# Altium PCB Smart Humidifier.PcbDoc (continued)
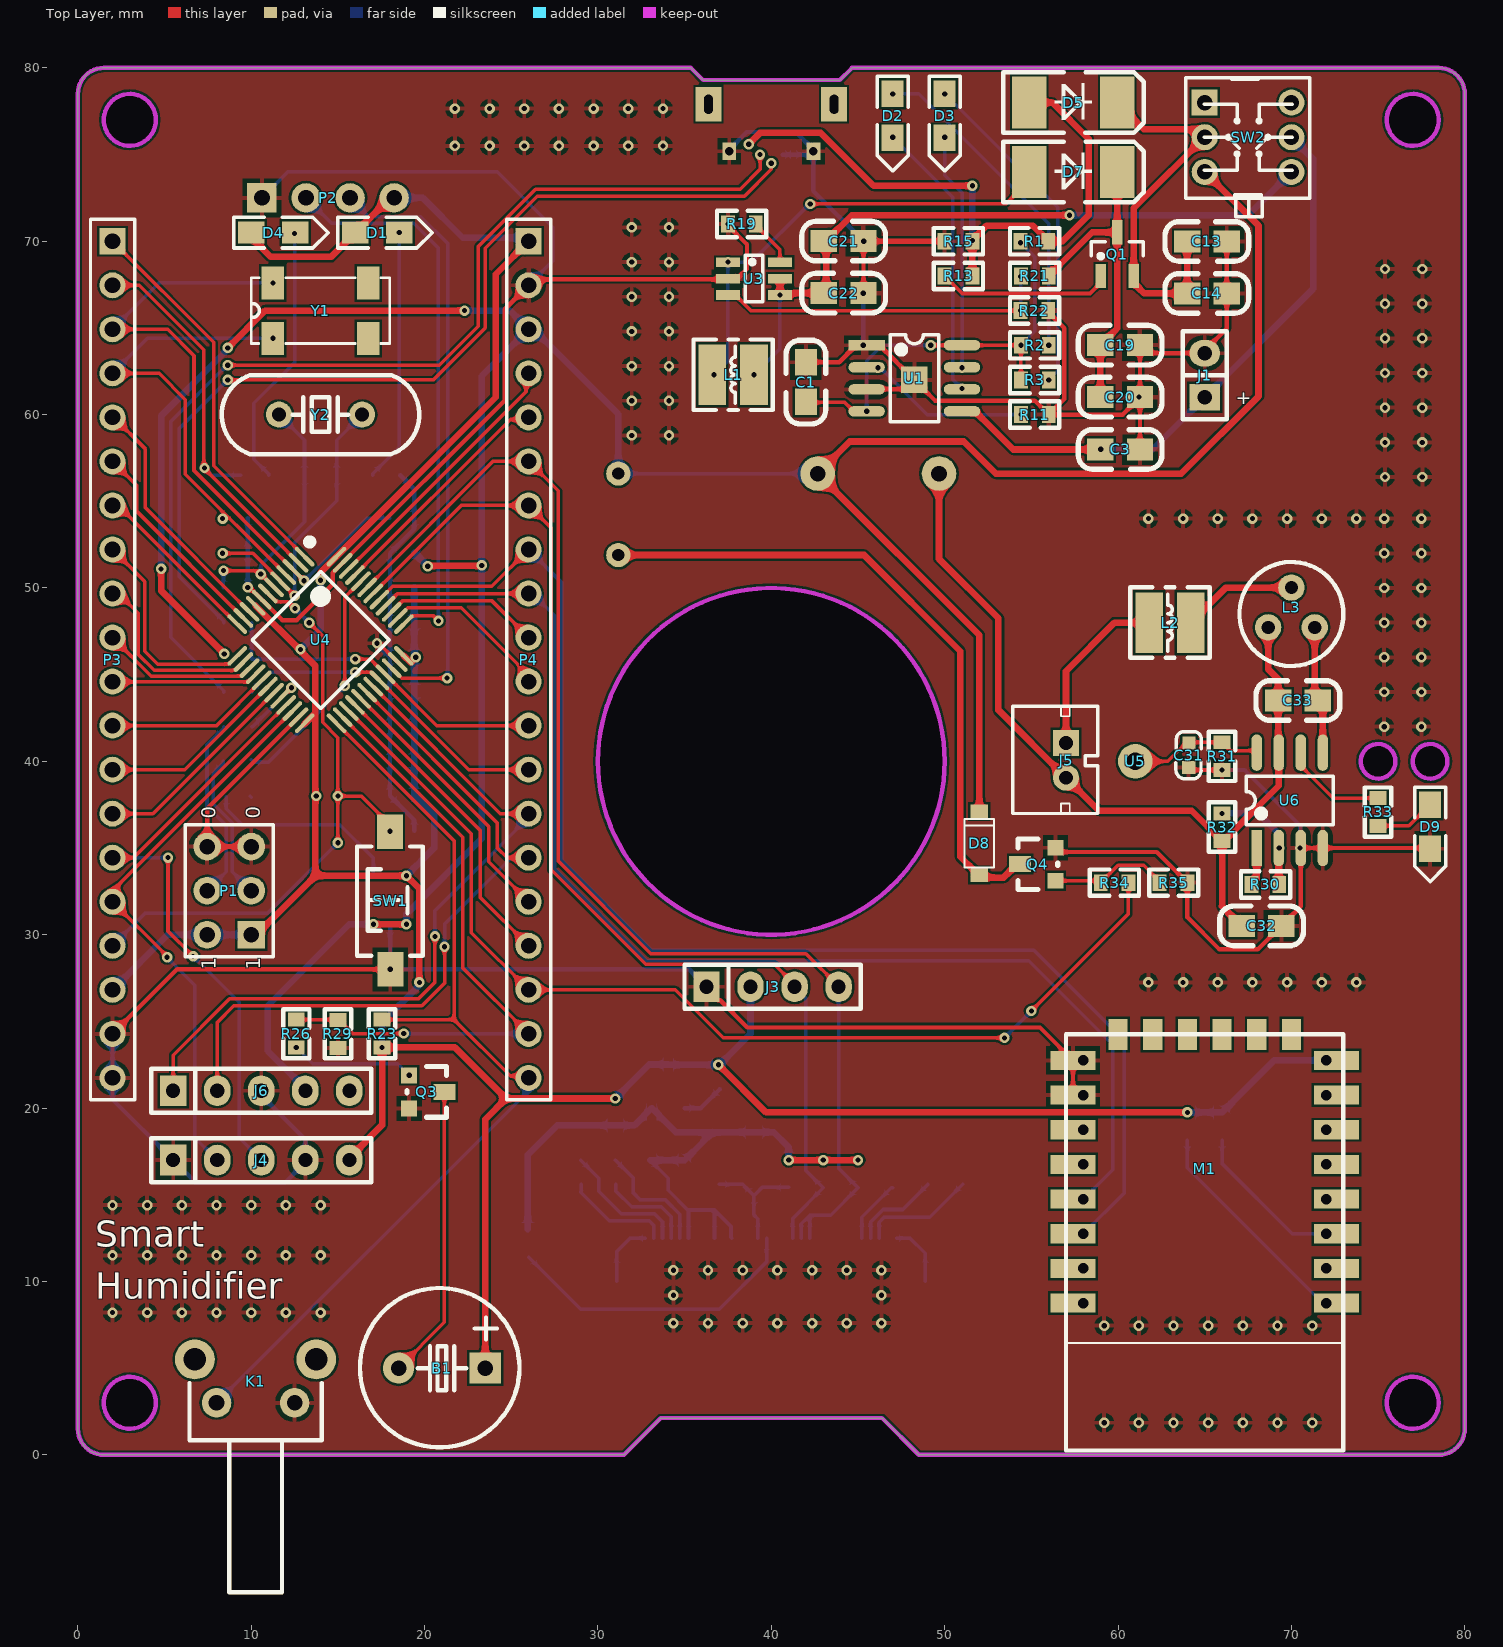
[diagram p0: Top Layer view]
## Footprints (in the part's own frame and the unit in brackets; to place one, negate y for a bottom-side part, rotate by r counter-clockwise, add the part's x,y. Pads: shape width x height; smd on the part's side, far side on the other; paste and mask are expansions set on the pad) (continued)
  silkscreen extent -3.68,-4.57 2.79,2.79, body extent -4.5,-4.5 4.5,4.5, height 1.05
"TSW SMD-3*6*2.5" [mm] "3*6*2.5mm"
  rect 2x1.5 smd: 1(-3.996,-0.02) 2(3.937,0)
  silkscreen extent -3.21,-1.9 3.09,1.9, body extent -4,-1.88 4,1.62, height 2.59
USB-micro_B [mm]
  rect 1.5x2 hole 0.5 slot 1.1 at 90 deg: 0(-2.325,-2.9) 0(4.925,-2.9)
  rect 0.35x1.6 smd: 1(0,0) 2(0.65,0) 3(1.3,0) 4(1.95,0) 5(2.6,0)
  rect 0.8x1 hole 0.5: 5(-1.125,-0.19) 5(3.725,-0.19)
  silkscreen extent -2.89,-5.69 5.49,1.4, body extent -2.7,-5.6 5.3,0, height 2.8
"XTAL-49S DIP" [mm]
  round 1.5 hole 0.8: 1(-2.4,0) 2(2.4,0)
  silkscreen extent -5.7,-2.28 5.7,2.28, body extent -5.68,-2.35 5.68,2.3, height 3.5
通孔焊盘 [mm]
  round 2 hole 1: Hole(-16.7,0)

## Part data
B1: "蜂鸣器"
C1 C2 C3 C4 C5 C6 C7 C8 C9 C10 C11 C12 C13 C14 C15 C16 C17 C18 C19 C20 C21 C22 C23 C24 C25 C26 C27 C28 C29 C30 C31 C32 C33: library part CAP, "无极性电容"
D1 D2 D3 D4 D9: library part LED
D5 D7: library part "DIODE SCHOTTKY", "肖特基二极管"
D6 D8: library part DIODE, "普通二极管"
J1: library part "Female HDR1X2"
J2: "贴片"
J5: library part PH2.0-2P
JK1: "5V一组常开"
K1: library part KEY
L1 L2: library part INDUCTOR, "INDUCTOR"
L3: library part "INDUCTOR Tripod", "三脚工字形电感线圈直插式"
P1: "Header, 3-Pin, Dual row", LatestRevisionDate=17-Jul-2002, LatestRevisionNote="Re-released for DXP Platform.", Publisher="Altium Limited"
P2: library part "Header 4", "Header, 4-Pin", LatestRevisionDate=17-Jul-2002, LatestRevisionNote="Re-released for DXP Platform.", Publisher="Altium Limited"
P3 P4: "Header, 20-Pin", LatestRevisionDate=17-Jul-2002, LatestRevisionNote="Re-released for DXP Platform.", Publisher="Altium Limited"
Q1: library part P-MOS, "P沟道场效应管"
Q2: library part LDO_SOT23, "SOT23封装LDO"
Q3 Q4: library part NPN, "NPN三极管"
R1 R2 R3 R4 R5 R6 R7 R8 R9 R10 R11 R12 R13 R15 R16 R17 R18 R19 R20 R21 R22 R23 R24 R25 R26 R27 R28 R29 R30 R31 R32 R33 R34 R35: library part RES
R14: library part RES_SW
SW1: "SWITCH"
SW2: library part KFT_7X7-DIP, "Self-locking Switch"
U2: library part RT9193X_5P, ICA_MFR_NAME=RICHTEK, ICA_PARTNUM=$$2191094$$RT9193-15CU5, Part Number=TMP-13
U3: library part TC6291C, "DC-DC升压IC"
U5: library part 过孔焊盘
U6: library part XKT-201, "5V加湿器驱动芯片"
Y1 Y2: library part XTAL, "Crystal Oscillator", LatestRevisionDate=17-Jul-2002, LatestRevisionNote="Re-released for DXP Platform.", Published=8-Jun-2000, Publisher="Altium Limited"

## Free pads (board coordinates)
  rect 1.524x1.524 smd: 2(48.25,62)

## Via types
v1: diameter 0.6, hole 0.3, Top Layer to Bottom Layer, 216 vias

## Nets (pads, with @x,y where several pads share a name; then routed paths per layer and width w, separated by ;. In a path a pad name is that pad's centre, name@x,y a point inside that pad or via, vN(x,y) a via of type N, cw(c..) or ccw(c..) an arc to the next point about the centre after c; other vN are vias at no path point)
5V_OUT: C19.2 C20.2 D7.K Q1.D R21.2 | length 19
  Top Layer w0.381: R21.2 56,68.21 56.171,68.381 56.381,68.381 58.514,70.514 Q1.D ; C20.2 C19.2 59.95,64.982 Q1.D ; D7.K@60.3,73.653 D7.K 59.95,74 Q1.D
BOOT0: R8.1 U4.44 | length 13.7
  Top Layer w0.203: v1(15.4,44.35) 15.4,49.461 U4.44
  Bottom Layer w0.203: R8.1@10,40.1 10.15,39.95 11,39.95 v1(15.4,44.35)
BOOT1: R9.2 U4.20 | length 4.1
  Top Layer w0.203: U4.20 11.674,43.609 v1(12.315,44.25)
  Bottom Layer w0.203: R9.2 10.07,42 12.315,44.245 v1(12.315,44.25)
GND: C1.1 C2.1 C3.2 C4.1 C6.1 C7.1 C9.1 C10.1 C11.2 C12.2 C13.2 C14.2 C15.2 C16.1 C17.2 C18.1 C19.1 C20.1 C21.1 C22.1 C23.2 C24.2 C25.1 C26.1 C27.1 C28.1 C29.2 C30.2 C31.2 C32.1 D9.K J1.2 J2.0 J2.1 J2.2 J2.6 J2.7 J2.8 J2.9 J2.10 J2.14 J2.15 J2.18 J2.19 J2.21 J2.23 J2.30 J3.1 J4.1 J4.4 J6.3 K1.3 M1.15 M1.16 P1.5 P1.6 P2.1 P3.19 P3.20 P4.2 pad.2 Q2.1 Q3.E Q4.E R7.2 R11.2 R14.3 R15.1 R19.1 R20.1 R22.1 R29.2 R31.1 R35.1 SW1.1 U1.1 U1.3 U2.2 U3.2 U4.8 U4.23 U4.35 U4.47 U6.3 U6.4 USB1.4 USB1.5 | length 316.7
  Top Layer w0.203: v1(17.254,46.812) 17.357,46.812 18.439,45.73 U4.35
  Top Layer w0.254: P3.19 5.724,28.004 v1(18.02,28.004) ; v1(9.797,50.034) 9.905,50.034 U4.8 11.789,48.15 12.634,48.15 14.7,50.216 14.7,50.882 U4.47 15.27,51.47 24.62,60.82 24.62,66.08 P4.2 26.34,67.8 38,67.8 38.6,68.4 38.6,69.818 37.5,70.918 v1(37.5,71) R19.1@37.575,71.075 ; P1.5 P1.6 7.46,37.278 U4.23 ; J3.1 36.26,26.873 36.92,26.213 37.047,26.213 38.61,24.65 55.5,24.65 57.4,22.75 M1.16@57.4,20.75 ; C1.1 41.999,63.027 43.923,63.027 44.896,64 v1(45.3,64) U1.1 46.25,64 pad.2 pad.2@48.377,61.873 ; C22.1 C21.1 ; U1.3 45.509,61.469 47.865,61.469 48.269,61.873 pad.2@48.377,61.873 ; R22.1 55.975,65.921 55.971,65.921 56.9,64.992 56.9,60.9 R11.2 ; Q4.E 56.636,34.769 62.231,34.769 63.619,33.381 63.702,33.381 64,33.082 R35.1 64,31 65.847,29.153 68.061,29.153 C32.1 70.54,31.632 U6.3 ; C19.1 C19.1@61.265,63.928 ; C3.2 61.265,57.99 C20.1 ; C31.2 64.228,39.5 v1(66,39.5) ; C13.2 C14.2 66.268,64.972 65,63.704 J1.2 64.991,63.549 61.643,63.549 C19.1@61.265,63.928 ; v1(70.5,35) U6.3 ; D9.K 77.96,35 U6.4 U6.3 ; pad.2@48.377,61.873 49.441,60.809 55.191,60.809 R11.2 ; R11.2 60.273,60 61.201,60.928 v1(61.201,61.01) C20.1 ; C20.1 C19.1@61.265,63.928
  Top Layer w0.3: C21.1 v1(45.328,70) R15.1
  Bottom Layer w0.203: C10.1 C10.1@10,37.938 ; P2.1 12.12,74 24.2,74 27.4,70.8 27.4,68.86 P4.2 ; J2.0@31.073,10 31.073,11.723 31.847,12.497 J2.30 ; J2.1 47.226,12.5 48,12.5 48.873,11.627 J2.0@48.873,10
  Bottom Layer w0.254: P3.19 P3.20 2,20.5 J4.1 5.5,16.873 6.135,16.238 6.262,16.238 6.8,15.7 11.947,15.7 13.12,16.873 J4.4 13.12,18.194 10.58,20.734 J6.3 ; v1(9.797,50.034) 9.8,50.037 C29.2 C24.2 ; v1(17.254,46.812) 17.254,46.76 C4.1 ; C26.1@17.987,39.991 C26.1 ; U2.2 18.01,30.59 18.01,28.014 v1(18.02,28.004) 35.256,28.004 J3.1 ; R7.2 19.402,55.698 C23.2 19.402,53.406 C9.1 C27.1 C6.1 C4.1 ; C2.1 19.401,36.614 C28.1 C26.1 ; Q2.1 35.937,20 C17.2 ; USB1.5@37.575,75.19 37.575,75.29 38.585,76.3 41.415,76.3 42.425,75.29 USB1.5@42.425,75.19 ; USB1.4 41.3,75 42.235,75 USB1.5@42.425,75.19 ; v1(45.3,64) v1(45.3,67) ; v1(45.328,70) 42.425,72.903 USB1.5@42.425,75.19 ; v1(66,39.5) 67.3,39.5 70.5,36.3 v1(70.5,35) ; C26.1 C25.1 C7.1 C4.1
  other v1: 59.2,1.85 61.2,1.85 63.2,1.85 65.2,1.85 67.2,1.85 69.2,1.85 71.2,1.85 59.2,7.45 61.2,7.45 63.2,7.45 65.2,7.45 67.2,7.45 69.2,7.45 71.2,7.45 34.35,7.6 36.35,7.6 38.35,7.6 40.35,7.6 42.35,7.6 44.35,7.6 46.35,7.6 2,8.2 4,8.2 6,8.2 8,8.2 10,8.2 12,8.2 14,8.2 34.35,9.2 46.35,9.2 34.35,10.65 36.35,10.65 38.35,10.65 40.35,10.65 42.35,10.65 44.35,10.65 46.35,10.65 2,11.5 4,11.5 6,11.5 8,11.5 10,11.5 12,11.5 14,11.5 2,14.4 4,14.4 6,14.4 8,14.4 10,14.4 12,14.4 14,14.4 61.75,27.25 63.75,27.25 65.75,27.25 67.75,27.25 69.75,27.25 71.75,27.25 73.75,27.25 75.35,42 77.5,42 75.35,44 77.5,44 75.35,46 77.5,46 75.35,48 77.5,48 75.35,50 77.5,50 75.35,52 77.5,52 61.75,54 63.75,54 65.75,54 67.75,54 69.75,54 71.75,54 73.75,54 75.35,54 77.5,54 75.4,56.4 77.55,56.4 75.4,58.4 77.55,58.4 31.95,58.8 34.1,58.8 75.4,60.4 77.55,60.4 31.95,60.8 34.1,60.8 75.4,62.4 77.55,62.4 31.95,62.8 34.1,62.8 75.4,64.4 77.55,64.4 31.95,64.8 34.1,64.8 75.4,66.4 77.55,66.4 31.95,66.8 34.1,66.8 75.4,68.4 77.55,68.4 31.95,68.8 34.1,68.8 31.95,70.8 34.1,70.8 21.75,75.5 23.75,75.5 25.75,75.5 27.75,75.5 29.75,75.5 31.75,75.5 33.75,75.5 21.75,77.65 23.75,77.65 25.75,77.65 27.75,77.65 29.75,77.65 31.75,77.65 33.75,77.65
NetB1_2: B1.2 Q3.C | length 17
  Top Layer w0.203: B1.2 21.143,7.643 Q3.C
NetC1_2: C1.2 R1.2 R2.1 R3.1 U1.4 U1.8 | length 24.7
  Top Layer w0.203: C1.2 42.022,60.7 44.24,60.7 44.75,60.19 v1(45.5,60.19) ; v1(49.2,64) U1.8 v1(54.4,64) ; v1(54.375,69.918) R1.2 ; R3.1 v1(54.4,64) ; R2.1@54.4,64.082 v1(54.4,64)
  Bottom Layer w0.203: v1(45.5,60.19) 45.5,63.1 46.4,64 v1(49.2,64) ; v1(54.375,69.918) 55.2,69.092 55.2,64.8 v1(54.4,64)
NetC5_1: C5.1 J2.28 | length 7.6
  Bottom Layer w0.203: C5.1 30.05,15.954 30.05,15.2 31.35,13.9 33.264,13.9 33.723,13.441 J2.28
NetC5_2: C5.2 J2.29 | length 6.2
  Bottom Layer w0.203: C5.2 29.034,15.116 30.65,13.5 32.95,13.5 33.223,13.227 J2.29
NetC8_1: C8.1 J2.26 | length 6.9
  Bottom Layer w0.203: C8.1 32.05,15.954 32.05,15.1 32.45,14.7 33.9,14.7 34.723,13.877 J2.26
NetC8_2: C8.2 J2.27 | length 5.4
  Bottom Layer w0.203: C8.2 31.034,15.216 31.95,14.3 33.65,14.3 34.223,13.727 J2.27
NetC10_2: C10.2 U2.4 | length 11.4
  Bottom Layer w0.203: C10.2 8.55,37.267 9.467,36.35 15.1,36.35 17.05,34.4 U2.4
NetC13_1: C13.1 C14.1 D5.K Q1.S SW2.2 | length 23
  Top Layer w0.381: D5.K 61.489,76.464 65.235,76.464 65.349,76.349 60.9,71.9 Q1.S 60.9,67.6 61.51,66.99 C14.1 C13.1
NetC15_1: C15.1 D6.A J2.17 R12.1 | length 7
  Bottom Layer w0.203: C15.1 38.35,15.599 D6.A ; J2.17 39.223,13.612 39,13.835 D6.A ; R12.1 39.471,15.42 D6.A
NetC16_2: C16.2 J2.4 | length 5.1
  Bottom Layer w0.203: J2.4 45.723,13.423 46.45,14.15 47.587,14.15 C16.2
NetC18_2: C18.2 J2.3 | length 6.6
  Bottom Layer w0.203: J2.3 46.223,13.423 46.5,13.7 49.137,13.7 C18.2
NetC21_2: C21.2 C22.2 L1.1 SW2.4 U3.4 U3.5 | length 40.3
  Top Layer w0.381: U3.5 v1(40.5,66.9) 40.61,67.01 C22.2 43.159,67.137 43.159,70.01 44.649,71.5 v1(57.2,71.5)
  Bottom Layer w0.203: v1(39,62.3) 40.5,63.8 v1(40.5,66.9)
  Bottom Layer w0.381: v1(57.2,71.5) 67.5,71.5 SW2.4
NetC31_1: C31.1 R31.2 U5.Hole U6.8 | length 7.9
  Top Layer w0.203: U5.Hole 62.874,40 64,41.126 64,41.189 64.1,41.189 64.189,41.1 R31.2 66.482,40.618 68,40.618 U6.8
NetC32_2: C32.2 C33.2 J5.2 JK1.4 L3.3 R32.2 U6.7 | length 50.5
  Top Layer w0.381: JK1.4 49.673,51.677 53.1,48.25 53.1,42.955 J5.2 58.905,37.15 64.25,37.15 R32.2 ; C32.2 65.992,31.65 66,31.65 R32.2 ; L3.3 68.658,45.325 69.232,44.751 C33.2 69.232,40.5 U6.7 69.27,38.588 66.082,35.4 R32.2
NetC33_1: C33.1 L3.2 U6.5 | length 7.4
  Top Layer w0.381: L3.2 71.342,43.686 C33.1 71.81,43.218 U6.5
NetD1_K: D1.K R7.1 | length 14.6
  Bottom Layer w0.203: R7.1 17,56.582 18.54,58.122 v1(18.54,70.5)
NetD2_A: D2.A R2.2 | length 19.1
  Bottom Layer w0.203: v1(47,78.5) 48.5,78.5 56,71 v1(56,64)
NetD2_K: D2.K U1.6 | length 16.2
  Bottom Layer w0.203: v1(47,76) 50.471,72.529 50.471,62.029 v1(51,61.5)
NetD3_A: D3.A R3.2 | length 19.4
  Bottom Layer w0.203: v1(50,78.5) 56.529,71.971 56.529,62.529 v1(56,62)
NetD3_K: D3.K U1.7 | length 13.7
  Bottom Layer w0.203: v1(50,76) 50,73.8 51,72.8 v1(51,62.7)
NetD4_K: D4.K R10.1 | length 15.3
  Bottom Layer w0.203: R10.1 11,56.582 10.15,57.432 10.15,60.65 12.5,63 v1(12.5,70.45)
NetD7_A: D7.A L1.2 U3.1 | length 26.7
  Top Layer w0.203: v1(42.25,72.15) 53.523,72.15 54.873,73.5 D7.A
  Bottom Layer w0.203: v1(36.7,62.3) 37.5,63.1 v1(37.5,68.8) 38.85,68.8 42.2,72.15 v1(42.25,72.15)
NetD8_A: D8.A JK1.1 Q4.C | length 38.2
  Top Layer w0.381: JK1.1 45.35,51.9 50.9,46.35 50.9,34.5 51.691,33.71 51.691,33.659 52.052,33.297 53.4,33.297 54.179,34.076 Q4.C
NetD9_A: D9.A R33.1 | length 3.5
  Top Layer w0.203: R33.1 76.781,36.281 D9.A
NetJ2_15: J2.16 R14.2 | length 17.5
  Bottom Layer w0.203: R14.2 29,8.4 37,8.4 39.723,11.123 J2.16
NetJ2_26: J2.5 R20.2 | length 3.7
  Bottom Layer w0.203: J2.5 45.223,13.7 46.918,15.395 R20.2
NetJ5_1: J5.1 L2.1 | length 10.1
  Top Layer w0.381: J5.1 57,45.2 59.8,48 L2.1
NetL2_2: L2.2 L3.1 | length 6.6
  Top Layer w0.381: L2.2 66.224,50.024 L3.1
NetM1_1: M1.1 R4.2 | length 12.9
  Bottom Layer w0.203: R4.2 64,16.55 71.9,8.65 M1.1@72,8.75
NetM1_3: M1.3 R6.2 | length 9
  Bottom Layer w0.203: R6.2 66,16.8 70.05,12.75 M1.3@72,12.75
NetP1_3: P1.3 R8.2 | length 8.6
  Bottom Layer w0.203: R8.2 8.4,39.917 7.8,39.317 7.8,37.55 8.9,36.45 8.9,33.64 P1.3
NetP1_4: P1.4 R9.1 | length 10.8
  Bottom Layer w0.203: P1.4 8.55,33.63 8.55,36.3 7.45,37.4 7.45,40.942 8.425,41.918 R9.1
NetQ1_G: Q1.G R13.1 | length 10.1
  Top Layer w0.203: R13.1 50,67.918 50.298,67.619 50.381,67.619 51.014,66.986 58.386,66.986 59,67.6 Q1.G
NetQ3_B: Q3.B R26.1 | length 7.2
  Bottom Layer w0.203: v1(12.6,23.5) 13.55,22.55 18.45,22.55 v1(19.111,21.889)
NetQ4_B: Q4.B R34.1 R35.2 | length 7
  Top Layer w0.203: Q4.B 58.889,33.111 R34.1 59,33.082 59.298,33.381 59.381,33.381 60,34 61.483,34 62.4,33.082 R35.2
NetR11_1: R11.1 U1.2 | length 9.4
  Bottom Layer w0.203: v1(46.15,62.7) 46.3,62.7 49,60 v1(54.4,60)
NetR19_2: R19.2 U3.6 | length 2.8
  Top Layer w0.203: R19.2 39.1,70.918 40.5,69.517 U3.6
NetR21_1: R21.1 R22.2 U3.3 | length 19.3
  Top Layer w0.203: U3.3 37.925,66.9 38.825,66 v1(54.375,66) ; v1(54.375,67.975) R21.1
  Bottom Layer w0.203: v1(54.375,66) v1(54.375,67.975)
NetR24_1: R24.1 USB1.2 | length 60.4
  Top Layer w0.203: v1(8.65,62.85) 20.85,62.85 23.1,65.1 23.1,69.7 26.4,73 38.2,73 39.35,74.15 v1(39.35,75)
  Bottom Layer w0.203: R24.1 8.425,44.083 5.35,47.158 5.35,59.6 v1@8.625,62.875
NetR25_1: R25.1 USB1.3 | length 55.7
  Top Layer w0.203: v1(8.65,62) 20.5,62 23.5,65 23.5,69.6 26.5,72.6 38.45,72.6 40,74.15 v1(40,74.5)
  Bottom Layer w0.203: R25.1 8.425,48.082 5.85,50.657 5.85,59.2 v1(8.65,62)
NetR30_1: R30.1 R32.1 U6.2 | length 7.4
  Top Layer w0.381: R30.1@69.27,32.9 U6.2 U6.2@69.27,35.75
  Bottom Layer w0.381: v1(66,37) 68.1,37 69.3,35.8 v1(69.3,35)
NetR30_2: R30.2 U6.1 | length 2.2
  Top Layer w0.381: R30.2 67.998,33.198 67.998,34.998 U6.1
NetR33_2: R33.2 U6.6 | length 6
  Top Layer w0.203: U6.6 70.54,39.75 72.409,37.881 R33.2
OSCIN: C29.1 R28.2 U4.5 Y2.2 | length 17.2
  Top Layer w0.203: v1(8.35,52) 10.101,52 11.669,50.432 U4.5 12.5,49.561 v1(12.5,49.555)
  Bottom Layer w0.203: v1(12.5,49.555) 12.5,52.6 14.927,55.027 14.927,58.527 Y2.2
OSCOUT: C30.1 R28.1 U4.6 Y2.1 | length 15.2
  Top Layer w0.203: v1(8.4,51) 10.354,51 v1(10.554,50.8) U4.6
  Bottom Layer w0.203: C30.1 v1(8.4,51) ; v1(10.554,50.8) 10.554,51.304 13.073,53.823 13.073,58.527 Y2.1
PA0: P3.5 U4.10 | length 14.5
  Top Layer w0.203: P3.5 2.073,59.84 3.9,58.013 3.9,54.619 9.895,48.624 U4.10
PA1: P3.6 U4.11 | length 12.2
  Top Layer w0.203: P3.6 3.409,55.891 3.409,54.409 U4.11
PA2: P3.7 U4.12 | length 10
  Top Layer w0.203: P3.7 2.338,54.76 9.182,47.916 U4.12
PA3: P3.8 U4.13 | length 12.5
  Top Layer w0.203: P3.8 3.85,50.37 3.85,46.35 4.6,45.6 8.711,45.6 U4.13
PA4: P3.9 U4.14 | length 11
  Top Layer w0.203: P3.9 2.351,49.68 3.484,48.547 3.484,46.166 4.4,45.25 9.068,45.25 U4.14
PA5: P3.10 U4.15 | length 9
  Top Layer w0.203: P3.10 4.229,44.911 9.436,44.911 U4.15
PA6: P3.11 U4.16 | length 8.4
  Top Layer w0.203: P3.11 2.019,44.581 9.813,44.581 U4.16
PA7: P3.12 U4.17 | length 9.7
  Top Layer w0.203: P3.12 7.999,42.06 U4.17
PA8: P4.16 U4.29 | length 15.7
  Top Layer w0.203: U4.29 23.7,36.239 23.7,34.2 P4.16
PA9(USART1_TX): J6.2 P4.15 U4.30 | length 41.9
  Top Layer w0.203: J6.2 8.04,24.94 9,25.9 19.85,25.9 21.15,27.2 v1(21.15,29.3) ; U4.30 24.2,36.446 24.2,35 24.76,34.44 P4.15
  Bottom Layer w0.203: v1(21.15,29.3) 21.15,30.6 24.99,34.44 P4.15
PA10(USART1_RX): J6.1 P4.14 U4.31 | length 42.9
  Top Layer w0.203: J6.1 5.5,23.05 8.75,26.3 19.65,26.3 20.6,27.25 v1(20.6,29.9) ; U4.31 24.374,36.98 P4.14
  Bottom Layer w0.203: v1(20.6,29.9) 20.6,31.385 26,36.785 P4.14
PA11: P4.13 R24.2 U4.32 | length 18.8
  Top Layer w0.203: v1(16,45.15) 16.911,45.15 U4.32 22.541,39.52 P4.13
  Bottom Layer w0.203: R24.2 10.025,44.083 11.092,45.15 v1(16,45.15)
PA12: P4.12 R25.2 R27.2 U4.33 | length 19.6
  Top Layer w0.203: v1@16.05,45.9 16.868,45.9 U4.33 20.708,42.06 P4.12
  Bottom Layer w0.203: R27.2 10.025,45.9 v1(16,45.9) ; R27.2@10.025,46.052 R25.2
PA15: P4.11 U4.38 | length 9.8
  Top Layer w0.203: U4.38 18.782,48.6 19.032,48.85 22.118,48.85 26,44.968 P4.11
PB0: P3.13 U4.18 | length 10.9
  Top Layer w0.203: P3.13 6.166,39.52 U4.18
PB1: P3.14 U4.19 | length 12.2
  Top Layer w0.203: P3.14 4.334,36.98 U4.19
PB3: P4.10 U4.39 | length 9.7
  Top Layer w0.203: U4.39@18.575,49.1 U4.39 18.098,48.636 18.712,49.25 23.89,49.25 P4.10
PB4: M1.19 P4.9 U4.40 | length 71.2
  Top Layer w0.203: U4.40 18.168,49.4 18.448,49.68 P4.9
  Bottom Layer w0.203: P4.9 26.22,49.68 27.5,48.4 27.5,33.8 32.8,28.5 54.85,28.5 59.7,23.65 59.7,16.45 M1.19@58,14.75
PB5: M1.20 P4.8 U4.41 | length 77.4
  Top Layer w0.203: U4.41 17.961,49.9 18.161,50.1 23.88,50.1 P4.8
  Bottom Layer w0.203: P4.8 27.9,50.32 27.9,34.3 33.1,29.1 55.15,29.1 60.35,23.9 60.35,15.1 M1.20@58,12.75
PB6(I2C1_SCL): J2.13 J3.3 P4.7 R18.2 U4.42 | length 65.5
  Top Layer w0.203: U4.42 22.114,54.76 P4.7 27.3,53.46 27.3,33.75 32.75,28.3 40.167,28.3 41.34,27.127 J3.3
  Bottom Layer w0.203: J2.13 41.223,13.618 R18.2 42,16.395 42,26.34 J3.3
PB7(I2C1_SDA): J2.11 J2.12 J3.4 P4.6 R17.2 U4.43 | length 73.6
  Top Layer w0.203: U4.43 23.946,57.3 P4.6 27.7,55.6 27.7,34.25 33.05,28.9 42,28.9 43.88,27.02 J3.4
  Bottom Layer w0.203: J2.12 41.723,13.323 42.223,13.823 ; J2.11 42.223,13.823 ; J3.4 43.88,16.515 R17.2 43.428,13.823 42.223,13.823
PB8: P4.5 U4.45 | length 13.8
  Top Layer w0.203: U4.45 24.945,59.713 25.873,59.713 P4.5
PB9: P4.4 U4.46 | length 15.6
  Top Layer w0.203: U4.46 25.85,61.325 25.85,62.23 P4.4
PB10(I2C2_SCL): J4.3 P3.15 U4.21 | length 36.6
  Top Layer w0.203: P3.15 3.208,34.44 U4.21 ; v1(5.2,34.45) 5.2,30.2 v1(6.65,28.75)
  Bottom Layer w0.203: P3.15 2.005,34.445 5.185,34.445 5.19,34.44 v1(5.2,34.45) ; v1(6.65,28.75) 9.3,26.1 9.3,18.28 J4.3
PB11(I2C2_SDA): J4.2 P3.16 U4.22 | length 32.7
  Top Layer w0.203: v1(5.15,28.7) 5.15,28.75 P3.16 2,32.526 U4.22@12.376,42.902
  Bottom Layer w0.203: v1(5.15,28.7) 5.15,28.675 6.75,27.075 6.75,18.29 J4.2
PB12: K1.1 P4.20 R23.2 U4.25 | length 55.9
  Top Layer w0.203: U4.25 21.7,35.411 21.7,25.1 ; R23.2 21.7,25.1 ; P4.20 25.885,21.855 24.945,21.855 21.7,25.1
  Bottom Layer w0.203: K1.1 26,21 P4.20
PB13: P4.19 R26.2 R29.1 U4.26 | length 36.5
  Top Layer w0.203: R26.2 15.057,25.1 15.857,24.3 v1(18.8,24.3) ; U4.26 22.2,35.618 22.2,28.08 P4.19
  Bottom Layer w0.203: v1(18.8,24.3) 18.81,24.29 25.99,24.29 P4.19
PB14: P4.18 R34.2 U4.27 | length 60.9
  Top Layer w0.203: U4.27 22.7,35.825 22.7,30.12 P4.18 34.466,26.82 37.236,24.05 v1(53.45,24.05) ; v1(55,25.6) 60.6,31.2 R34.2
  Bottom Layer w0.203: v1(53.45,24.05) v1(55,25.6)
PB15: P4.17 U4.28 | length 18
  Top Layer w0.203: U4.28 23.2,36.032 23.2,32.16 P4.17
PC13: P3.2 R10.2 U4.2 | length 23.7
  Top Layer w0.203: P3.2 3.54,67.46 7.264,63.736 7.264,56.918 U4.2 U4.2@12.758,51.452
  Bottom Layer w0.203: v1(7.304,56.919) 7.722,56.5 R10.2
PC14: C23.1 P3.3 U4.3 Y1.4 | length 37.8
  Top Layer w0.203: P3.3 5.18,64.92 6.7,63.4 6.7,56.775 U4.3 12.376,51.086 v1(13.05,50.412)
  Bottom Layer w0.203: P3.3 4.68,67.6 v1(11.25,67.6) ; v1(13.05,50.412) 16.662,54.025 C23.1@18.003,54.025
PC15: C24.1 P3.4 U4.4 Y1.1 | length 27.8
  Top Layer w0.203: P3.4 4.688,62.38 6.202,60.866 6.202,60.534 6.2,60.532 6.2,56.568 U4.4 U4.4@12.009,50.759 ; v1(8.35,54) v1@8.559,54.209
  Bottom Layer w0.203: P3.4 4.02,64.4 v1(11.25,64.4)
RESET: C2.2 P3.17 R5.2 SW1.2 U4.7 | length 35.8
  Top Layer w0.203: U4.7 11.446,49.2 12.108,49.2 12.483,48.825 v1(12.525,48.825) ; v1(13.35,48) 14.121,47.229 14.121,42.25 15,41.371 v1(15,38) 16.35,38 17.5,36.85 SW1.2@17.5,35.937 ; v1(15,35.3) 15,37.9 v1@15.05,37.95
  Bottom Layer w0.203: P3.17 3.89,31.25 10.95,31.25 v1(15,35.3) ; v1(12.525,48.825) v1(13.35,48)
  other v1: 18.004,35.966
SWDCLK: P2.2 U4.37 | length 32.7
  Top Layer w0.203: U4.37 19.289,48.4 20.5,48.4 v1(20.8,48.1)
  Bottom Layer w0.203: P2.2 14.631,71.029 19.371,71.029 20.8,69.6 v1(20.8,48.1)
SWDIO: P2.3 U4.34 | length 35.2
  Top Layer w0.203: U4.34 18.675,44.8 v1(21.3,44.8)
  Bottom Layer w0.203: P2.3 16.779,71.421 19.779,71.421 21.329,69.871 21.329,44.829 v1(21.3,44.8)
VBAT: P3.1 U4.1 | length 22.8
  Top Layer w0.203: P3.1 7.832,64.168 7.832,57.057 U4.1
VBAT3.7: C3.1 J1.1 SW2.5 U1.5 | length 34.4
  Top Layer w0.381: U1.5 51.75,60.19 53.95,57.99 C3.1 C3.1@59.109,57.99
  Bottom Layer w0.381: v1(59,58) 62,58 J1.1 71.25,67.25 71.25,74.75 SW2.5
VBUS: D5.A R1.1 R13.2 R15.2 USB1.1 | length 36.4
  Top Layer w0.381: v1(38.7,75.6) 39.35,76.25 42.85,76.25 45.9,73.2 v1(51.6,73.2) ; R13.2 R15.2 v1(51.6,70.041) 51.6,70.082 52.417,70.9 55.075,70.9 R1.1 56.8,70 57.5,70.7 58.3,71.5 58.3,75.917 56.217,78 D5.A
  Bottom Layer w0.381: v1(51.6,70.041) v1(51.6,73.2)
VCC3V3: B1.1 C4.2 C6.2 C7.2 C17.1 C25.2 C26.2 C27.2 C28.2 D1.A D4.A J3.2 J4.5 M1.8 P1.1 P1.2 P2.4 P3.18 P4.1 Q2.3 R4.1 R5.1 R6.1 R16.2 R23.1 U2.5 U4.9 U4.24 U4.36 U4.48 | length 203.3
  Top Layer w0.381: D4.A@9.793,70.437 11.13,69.1 14.6,69.1 D1.A 18,72.5 P2.4 ; P1.1 10.302,30 13.702,33.4 ; U4.9 12.785,46.447 12.793,46.454 v1(12.841,46.454) 12.841,46.365 13.702,45.504 13.702,33.4 ; U4.24@13.064,42.15 U4.24@13.614,42.7 ; v1(14,50.45) 14,50.9 24.1,61 24.1,68.1 P4.1 ; J4.5 15.66,17.127 17.55,19.017 v1(17.55,23.5) 21.75,23.5 24.7,20.55 ; U4.36 19.168,45.721 19.199,45.721 19.478,46 v1(19.495,46) ; v1(19.7,27.25) 19.7,32.65 v1(18.95,33.4) 13.702,33.4 ; B1.1 23.5,19.35 24.7,20.55 ; v1(31,20.55) 24.7,20.55 ; v1(36.95,22.5) 39.7,19.75 v1(64,19.75) ; J3.2 J3.2@38.813,27
  Bottom Layer w0.381: P3.18 5.18,30 P1.2 P1.1 ; v1(12.841,46.454) 14,47.613 v1(14,50.45) ; v1(17.55,23.5) 17.55,24.935 19.7,27.085 v1(19.7,27.25) ; P2.4 19.9,72.5 22.2,70.2 25.8,70.2 P4.1 ; v1(18.95,33.4) 20.55,35 20.55,36.887 C28.2 C26.2 C25.2 C7.2 C4.2 ; C4.2@19.395,46.042 C4.2 ; C27.2 C6.2 19.402,46.092 v1(19.495,46) 19.495,45.942 C4.2 ; v1(31,20.55) 32.964,22.514 Q2.3 34.069,22.495 C17.1 38.8,24.286 J3.2 ; v1(64,19.75) R6.1 69,22.75 M1.8@72,22.75
  other v1: 13.75,38
VCC5V: C9.2 D8.K J6.4 JK1.2 JK1.3 P4.3 R27.1 SW2.3 U2.1 U2.3 | length 185.2
  Top Layer w0.381: v1(4.8,51.1) 4.8,49.85 v1(8.45,46.2) ; v1(8.65,63.85) 10.801,66 v1(22.3,66) ; v1(17.05,30.6) v1(18.95,30.6) ; v1(20.187,51.25) 20.212,51.275 23.275,51.275 v1(23.3,51.3) ; D8.K 52,47.273 JK1.3 44.523,58.45 51.1,58.45 52.95,56.6 63.65,56.6 68.1,61.05 68.1,70.9 SW2.3
  Bottom Layer w0.203: JK1.2 JK1.3
  Bottom Layer w0.381: v1(4.8,51.1) 4.8,59.923 8.65,63.773 v1(8.65,63.85) ; J6.4 13.12,21.127 10.95,23.297 10.95,25.9 15.65,30.6 v1(17.05,30.6) ; v1(18.95,30.6) 18.95,31.2 23.3,35.55 v1(23.3,51.3) 23.3,62.22 P4.3 ; C9.2 v1(20.187,51.25) ; v1(22.3,66) 24.92,66 P4.3 ; JK1.2 31.173,60.027 26.28,64.92 P4.3
VCC_OLED: C11.1 C12.1 D6.K J2.20 J2.22 J2.25 Q2.2 R12.2 R14.1 R16.1 R17.1 R18.1 | length 41
  Top Layer w0.381: v1(41,17) v1(43,17) v1(45,17)
  Bottom Layer w0.203: C12.1 34.05,15.954 34.05,15.25 35.18,14.12 ; J2.25 35.223,14.077 35.18,14.12 ; J2.22 36.723,14.12 ; J2.20 37.675,12.545 37.675,13.169 36.723,14.12 ; 35.18,14.12 36.723,14.12
  Bottom Layer w0.381: R14.1@25.95,13 25.95,17.3 27.65,19 R16.1 32.1,19 Q2.2 34.493,18.607 36.621,18.607 ; C12.1 C11.1 36.621,18.607 ; v1(41,17) 41,17.75 40.143,18.607 D6.K 36.621,18.607
pads on no net: J2.24 J6.5 K1.0 M1.2 M1.4 M1.5 M1.6 M1.7 M1.9 M1.10 M1.11 M1.12 M1.13 M1.14 M1.17 M1.18 M1.21 M1.22 SW2.1 SW2.6 USB1.0 Y1.2 Y1.3

## Polygon pours and split planes (outlines as drawn)
GND on Top Layer "Top Layer-No Net" (solid, pour order 74): 1.5,0 cw(c1.5,1.5) 0,1.5 0,78.5 cw(c1.5,78.5) 1.5,80 35.362,80 36.062,79.3 43.95,79.3 44.65,80 78.5,80 cw(c78.5,78.5) 80,78.5 80,1.5 cw(c78.5,1.5) 78.5,0 48.5,0 46.379,2.121 33.621,2.121 31.5,0
GND on Bottom Layer "Top Layer-No Net1" (solid, pour order 75): 1.5,0 cw(c1.5,1.5) 0,1.5 0,78.5 cw(c1.5,78.5) 1.5,80 35.362,80 36.062,79.3 43.95,79.3 44.65,80 78.5,80 cw(c78.5,78.5) 80,78.5 80,1.5 cw(c78.5,1.5) 78.5,0 48.5,0 46.379,2.121 33.621,2.121 31.5,0

## Keep-outs
Keep-Out Layer:
  circle w0.254: c78,40 r1
  circle w0.254: c75,40 r1
  circle w0.254: c77,3 r1.5
  circle w0.254: c3,3 r1.5
  circle w0.254: c77,77 r1.5
  circle w0.254: c3,77 r1.5
  circle w0.254: c40,40 r10
  lines w0.254: 0,1.5 ccw(c1.5,1.5) 1.5,0 31.5,0 33.621,2.121 46.379,2.121 48.5,0 78.5,0 ccw(c78.5,1.5) 80,1.5 80,78.5 ccw(c78.5,78.5) 78.5,80 44.65,80 43.95,79.3 36.062,79.3 35.362,80 1.5,80 ccw(c1.5,78.5) 0,78.5 0,1.5

## Silkscreen, mask and mechanical layers (free items; w line width, h text height)
Top Overlay:
  text "+" at 66.8,60.6 h0.8
  text "Smart" at 1,12 h1.52
  text "Humidifier" at 1,9 h1.52
Bottom Overlay:
  text "GND" at 11.5,70 h0.8
  text "GND" at 56.5,22.35 h0.8
  text "VCC3V3" at 77.95,22.35 h0.8
  text "IO15" at 56.5,20.35 h0.8
  text "IO13" at 76,20.35 h0.8
  text "IO2" at 56.5,18.35 h0.8
  text "IO12" at 76,18.35 h0.8
  text "0x7A" at 26.4,17.05 h0.8 r90
  text "IO0" at 56.5,16.35 h0.8
  text "IO14" at 76,16.35 h0.8
  text "IO4" at 56.5,14.35 h0.8
  text "IO16" at 76,14.35 h0.8
  text "IO5" at 56.5,12.35 h0.8
  text "EN" at 74.667,12.35 h0.8
  text "RXD" at 56.5,10.35 h0.8
  text "ADC" at 75.467,10.35 h0.8
  text "JLCJLCJLCJLC" at 44.55,9.15 h0.8
  text "0x78" at 26.4,8.75 h0.8 r90
  text "TXD" at 56.5,8.35 h0.8
  text "RST" at 75.467,8.35 h0.8
  text "Made by EternalStar" at 72.25,5 h0.8
  text "2021" at 66.25,3.2 h0.8

## Dimensions
0,80 to 80,80 on Top Overlay
80,80 to 80,0 on Top Overlay

## Text inside footprints (layer, text, board x,y; h text height)
P1: Top Overlay "0" at 7.968,36.7 h0.81 r90; Top Overlay "0" at 10.508,36.7 h0.81 r90; Top Overlay "1" at 7.968,27.968 h0.81 r90; Top Overlay "1" at 10.508,27.968 h0.81 r90
USB1: Bottom Overlay "USB" at 38.476,78.302 h1.02 r180